# KiCad board AnalogFNN.kicad_pcb (continued)
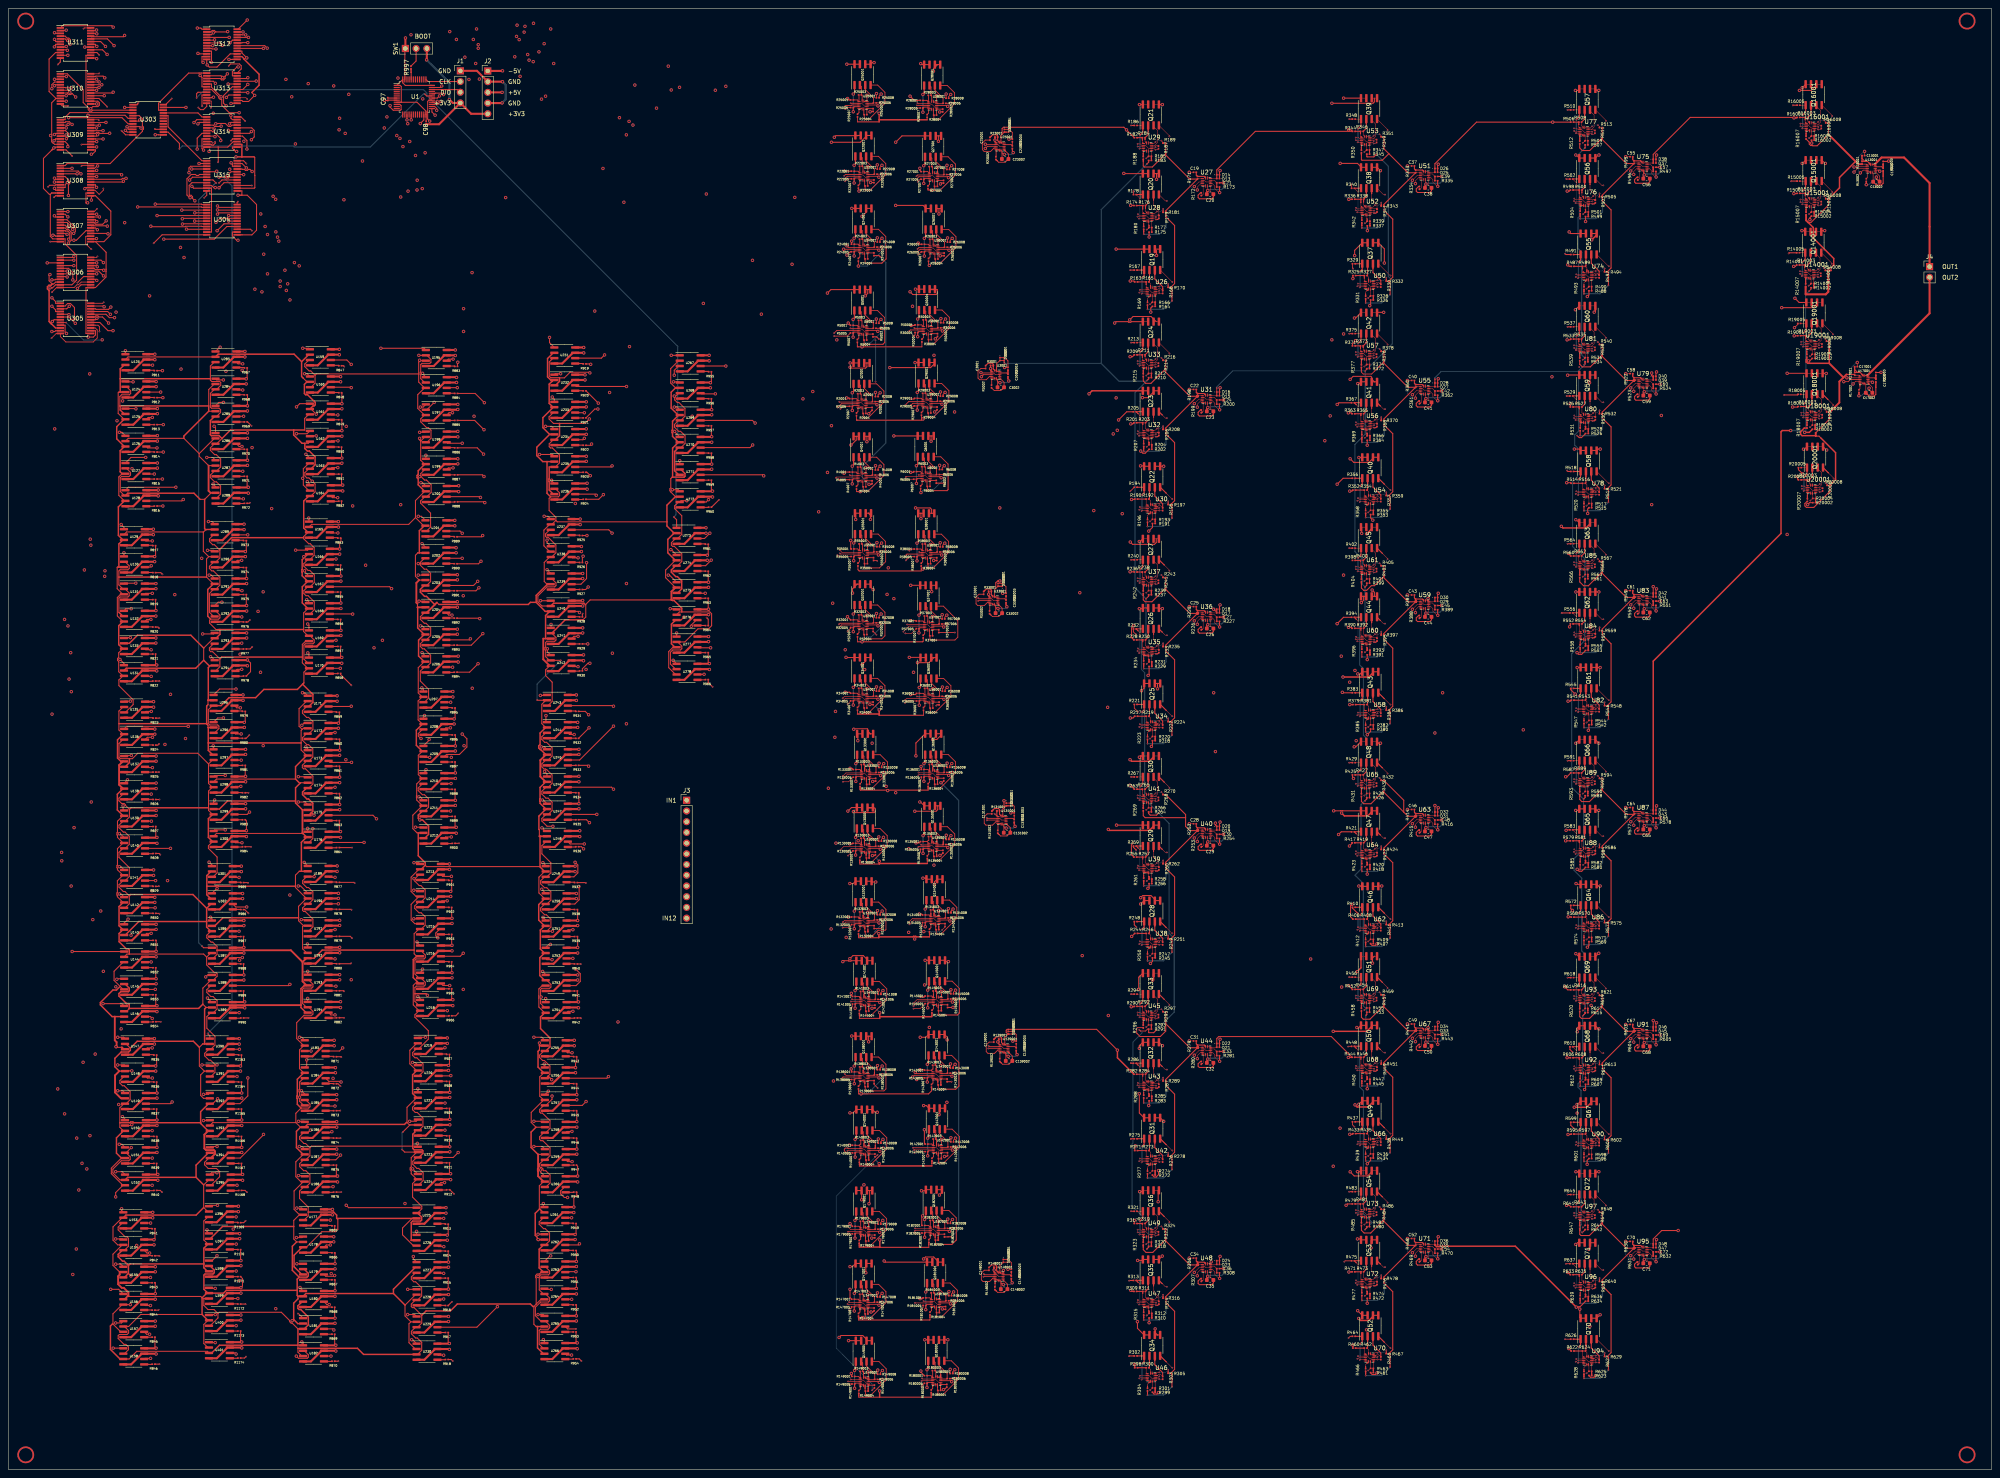
[diagram p0: board, top side]
## Routing (per net, layer and track width the routed paths; a pad name or vN(x,y) marks a point on that pad's centre or on a via; arc(x,y) is an arc through that point) (continued)
/VariableWeights/CS242: length 211
  Top w0.25: U307.9 13.68,293.15 v1(13.9,292.92) ; v1(68.7,138.39) 69.24,138.39 70.92,136.71
  In3.Cu w0.25: v1(63.77,292.26) 63.77,291.81 63.51,291.55 63.51,291.55 63.42,291.46 63.42,279.95 64.41,278.97 64.41,142.67 v1(68.7,138.39)
  In4.Cu w0.25: v1(63.77,292.26) 61,292.26 60.84,292.42 21.17,292.42 21.11,292.49 20.63,292.49 20.57,292.42 14.4,292.42 v1(13.9,292.92)
/VariableWeights/CS243: length 218
  Top w0.25: U307.23 v1(20.9,297.7) ; v1(69.41,130.42) 70.76,130.42
  In3.Cu w0.25: v1(21.87,132.46) 21.87,212.19 21.92,212.24 21.92,267.38 21.63,267.67 21.63,268.14 21.92,268.43 21.92,269.43 22.15,269.66 22.15,270.14 21.9,270.39 21.9,275.16 21.7,275.36 21.7,281.68 21.51,281.87 21.51,282.23 21.18,282.57 20.81,282.57 20.29,283.09 20.29,297.08 v1(20.9,297.7)
  In4.Cu w0.25: v1(69.41,130.42) 67.36,132.46 v1(21.87,132.46)
/VariableWeights/CS244: length 219.1
  Top w0.25: v1(70.87,124.62) 70.92,124.56 70.92,123.81 ; U307.22 v1(21.56,297.05)
  In3.Cu w0.25: v1(70.87,124.62) 64.06,131.43 64.06,278.82 63.07,279.81 63.07,293.21 v1(63.38,293.51)
  In4.Cu w0.25: v1(21.56,297.05) 22.59,296.02 22.59,295.89 22.93,295.56 23.05,295.56 23.17,295.43 23.19,295.45 23.67,295.45 24.01,295.12 24.01,294.6 25.49,293.12 60.61,293.12 61,293.51 v1(63.38,293.51)
/VariableWeights/CS245: length 230.1
  Top w0.25: U307.21 20.62,296.4 20.62,296.27 v1(20.94,295.96) ; v1(70.92,118.16) 70.92,117.35
  In2.Cu w0.25: v1(70.92,118.16) v1(22.5,118.16)
  In3.Cu w0.25: v1(20.94,295.96) 21.86,295.03 21.86,283.69 22.05,283.51 22.05,283.41 21.96,283.32 21.96,282.85 22.05,282.76 22.05,275.5 22.45,275.1 22.45,270.33 22.5,270.28 22.5,268.43 22.78,268.14 22.78,267.67 22.5,267.38 22.5,213.57 22.3,213.38 22.3,212.9 22.5,212.71 22.5,212.32 22.24,212.06 22.24,211.59 22.5,211.33 v1(22.5,118.16)
/VariableWeights/CS246: length 234.9
  Top w0.25: v1(70.92,111.73) 70.92,110.91 ; v1(23.16,296.13) 22.35,295.32 20.7,295.32 20.27,295.75 U307.20
  In2.Cu w0.25: v1(25.45,114.47) 68.18,114.47 v1(70.92,111.73)
  In3.Cu w0.25: v1(25.45,114.47) 23.8,116.12 23.8,213.52 23.48,213.84 23.48,268.43 23.33,268.59 23.33,271.48 23.15,271.65 23.15,272.13 23.33,272.3 23.33,273.43 23.19,273.56 23.19,274.37 23.3,274.48 23.3,292.46 22.97,292.79 22.97,293.31 23.18,293.52 23.18,294.31 22.86,294.64 22.86,295.12 23.18,295.44 23.18,296.11 v1(23.16,296.13)
/VariableWeights/CS251: length 241.2
  Top w0.25: U307.19 19.64,294.96 23.35,294.96 v1(23.43,294.88) ; 70.22,101.81 69.51,102.52 v1(68.98,102.52)
  In2.Cu w0.25: v1(26.71,104.51) 66.99,104.51 v1(68.98,102.52)
  In3.Cu w0.25: v1(26.71,104.51) 26.71,116.63 25.1,118.23 25.1,269.59 25.37,269.85 25.37,270.33 25.1,270.59 25.1,272.33 24.52,272.91 24.52,273.43 25.06,273.97 25.06,274.12 24.93,274.25 24.93,274.72 25.16,274.95 25.16,275.56 24.9,275.82 24.9,293.41 v1(23.43,294.88)
/VariableWeights/CS252: length 250.4
  Top w0.25: v1(21.07,294.01) 20.64,294.45 U307.18 ; v1(70.69,97.15) 70.69,95.82 70.22,95.36
  In4.Cu w0.25: v1(20.56,98.53) 69.3,98.53 v1(70.69,97.15)
  In5.Cu w0.25: v1(21.07,294.01) 20.23,293.17 20.23,229.08 20.56,228.75 20.56,130.66 20.57,130.65 20.57,130.18 20.56,130.17 v1(20.56,98.53)
/VariableWeights/CS253: length 255.1
  Top w0.25: v1(69.44,89.83) 70.22,89.04 ; U307.17 18.38,293.8 16.11,291.53 v1(15.5,291.53)
  In4.Cu w0.25: v1(15.5,291.53) 18.82,288.22 v1(60.5,288.22)
  In5.Cu w0.25: v1(60.5,288.22) 60.41,288.13 60.41,284.45 60.07,284.11 60.07,283.01 60.41,282.67 60.41,282.39 61.05,281.75 61.05,228.93 60.71,228.59 60.71,227.2 61.35,226.56 61.35,164.57 67.45,158.47 67.45,91.82 v1(69.44,89.83)
/VariableWeights/CS254: length 258.7
  Top w0.25: U307.16 23.5,293.15 v1(23.59,293.05) ; v1(68.75,82.59) 70.09,82.59
  In2.Cu w0.25: v1(68.75,82.59) 64.76,86.58 v1(26.13,86.58)
  In3.Cu w0.25: v1(23.59,293.05) 23.65,293 23.65,274.33 23.54,274.23 23.54,273.71 23.93,273.32 23.93,272.5 23.97,272.47 24.3,272.13 24.3,271.65 23.93,271.28 23.93,213.89 24.15,213.67 24.15,118.69 26.32,116.52 26.32,105 26.08,104.77 26.08,104.25 26.13,104.21 26.13,103.09 26.46,102.76 26.46,102.28 26.13,101.95 26.13,96.53 26.46,96.19 26.46,95.72 26.13,95.38 26.13,90.4 26.46,90.07 26.46,89.59 26.13,89.26 v1(26.13,86.58)
/VariableWeights/CS255: length 289.4
  Top w0.25: U308.2 v1(15.07,308.58) ; 70.22,76 69.61,76.62 v1(68.93,76.62)
  In2.Cu w0.25: v1(68.93,76.62) 66.99,78.56 16.22,78.56 v1(16.18,78.61)
  In5.Cu w0.25: v1(16.18,78.61) 16.18,163.5 15.97,163.7 15.97,214.38 16.13,214.53 16.13,271.31 16.42,271.6 16.42,272.07 16.13,272.36 16.13,272.63 16.23,272.73 16.23,273.21 16.13,273.31 16.13,279.53 16.12,279.54 15.78,279.87 15.78,280.35 16.13,280.7 16.13,280.88 16.12,280.89 15.78,281.23 15.78,281.71 16.13,282.05 16.13,297.69 15.07,298.75 v1(15.07,308.58)
/VariableWeights/CS256: length 294.7
  Top w0.25: U308.3 16.54,307.93 v1(17.19,307.28) ; v1(68.74,69.71) 70.07,69.71
  In4.Cu w0.25: v1(68.74,69.71) 65.83,72.63 v1(17.44,72.63)
  In5.Cu w0.25: v1(17.44,72.63) 17.44,95.22 17.05,95.61 17.05,182.06 16.67,182.44 16.67,214.09 16.93,214.34 16.93,271.12 17.12,271.31 17.12,279.57 17.28,279.73 17.28,297.53 16.67,298.14 16.67,306.75 v1(17.19,307.28)
/VariableWeights/CS261: length 301.2
  Top w0.25: U308.4 v1(16.28,307.28) ; v1(68.33,62.01) 69.52,62.01 U177.1
  In4.Cu w0.25: v1(16.67,66.3) 64.04,66.3 v1(68.33,62.01)
  In5.Cu w0.25: v1(16.28,307.28) 16.28,298.04 16.58,297.74 16.58,282.06 16.59,282.04 16.93,281.71 16.93,281.23 16.58,280.88 16.58,280.7 16.59,280.69 16.93,280.35 16.93,279.87 16.58,279.52 16.58,272.4 16.77,272.22 16.77,271.45 16.58,271.26 16.58,214.49 16.32,214.23 16.32,165.25 16.67,164.9 16.67,78.92 16.75,78.85 16.75,78.37 16.67,78.29 v1(16.67,66.3)
/VariableWeights/CS262: length 306.4
  Top w0.25: U178.1 69.58,55.01 v1(68.25,55.01) ; U308.5 13.43,306.63 14.22,305.84 14.22,305.76 14.53,305.45 14.53,304.98 14.22,304.67 v1(14.22,302.15)
  In2.Cu w0.25: v1(14.22,302.15) 42.79,302.15 42.82,302.19 43.3,302.19 43.33,302.15 53.58,302.15 54.15,301.58 54.67,301.58 55.03,301.94 v1(62.72,301.94)
  In3.Cu w0.25: v1(62.72,301.94) 62.72,299.31 62.58,299.31 62.37,299.11 62.37,279.52 63.36,278.53 63.36,114.46 63.71,114.11 63.71,59.55 v1(68.25,55.01)
/VariableWeights/CS263: length 312.8
  Top w0.25: U308.6 11.18,305.98 v1(10.91,306.25) ; v1(68.35,48.8) 69.82,48.8
  In2.Cu w0.25: v1(68.35,48.8) 64.84,52.31 v1(16.08,52.31)
  In5.Cu w0.25: v1(16.08,52.31) 15.67,52.72 15.67,78.3 15.6,78.37 15.6,78.85 15.67,78.92 15.67,95.5 11.98,99.2 11.98,305.18 v1(10.91,306.25)
/VariableWeights/CS264: length 318.7
  Top w0.25: U308.7 v1(10.9,305.33) ; v1(69.1,43.18) 69.1,43.08 69.83,42.36
  In4.Cu w0.25: v1(15.25,46.26) 28.57,46.26 28.79,46.49 29.27,46.49 29.49,46.26 66.02,46.26 v1(69.1,43.18)
  In5.Cu w0.25: v1(10.9,305.33) 11.63,304.6 11.63,91.22 15.25,87.6 v1(15.25,46.26)
/VariableWeights/CS265: length 347.7
  Top w0.25: v2(9.4,304.2) 9.76,304.56 11.1,304.56 11.22,304.68 U308.8 ; U181.1 68.73,37 v2(68.6,37)
  In1.Cu w0.25: v2(68.6,37) 67.6,37 65.9,35.3 65.9,28.3 61,23.4 24.4,23.4 7.1,40.7 7.1,53.7 7,53.8 7,290.4 9.4,292.8 v2(9.4,304.2)
/VariableWeights/CS266: length 328.7
  Top w0.25: U182.1 69.83,30 v1(69.55,30.28) ; U308.9 13.43,304.03 13.43,304.69 v1(13.95,305.22)
  In3.Cu w0.25: v1(69.55,30.28) 69.73,30.47 69.73,54.43 66.7,57.47 66.7,111.8 63.71,114.79 63.71,278.68 62.72,279.66 62.72,298.78 63.34,299.4 v1(63.34,301.24)
  In4.Cu w0.25: v1(13.95,305.22) 16.2,302.96 60.25,302.96 61.97,301.24 v1(63.34,301.24)
/VariableWeights/CS311: length 122.3
  Top w0.25: v1(88.27,265.91) 98.52,265.91 98.92,265.5 ; v1(21.13,309.14) 20.97,309.14 20.4,308.58 U308.23
  In1.Cu w0.25: v1(83.91,310.32) 88.27,305.96 v1(88.27,265.91)
  In2.Cu w0.25: v1(21.13,309.14) 22.53,310.54 53.31,310.54 53.53,310.32 v1(83.91,310.32)
/VariableWeights/CS312: length 126.1
  Top w0.25: 98.92,259.06 98.16,259.82 v1(98.16,259.97) ; v1(20.92,308.1) 20.8,308.1 20.62,307.93 U308.22
  In2.Cu w0.25: v1(20.92,308.1) 25.71,303.31 53.55,303.31 54.03,303.79 96.36,303.79 96.6,304.03 97.07,304.03 97.31,303.79 98.05,303.79 v1(98.08,303.77)
  In5.Cu w0.25: v1(98.08,303.77) 98.16,303.69 v1(98.16,259.97)
/VariableWeights/CS313: length 134.3
  Top w0.25: U308.21 26.58,307.28 v1(26.82,307.04) ; v1(97.63,251.96) 98.28,251.96 98.92,252.61
  In3.Cu w0.25: v1(27.05,253.43) 26.73,253.75 26.73,273.9 26.78,273.96 26.78,275.01 26.61,275.18 26.61,306.84 v1(26.82,307.04)
  In4.Cu w0.25: v1(27.05,253.43) 50.36,253.43 50.64,253.71 95.89,253.71 v1(97.63,251.96)
/VariableWeights/CS314: length 136.4
  Top w0.25: U308.20 v1(20.91,306.63) ; v1(97.45,245.99) 98.76,245.99
  In2.Cu w0.25: v1(94.7,303.17) 94.69,303.18 53.91,303.18 53.69,302.96 24.58,302.96 v1(20.91,306.63)
  In5.Cu w0.25: v1(94.7,303.17) 94.7,248.73 v1(97.45,245.99)
/VariableWeights/CS315: length 143.7
  Top w0.25: 98.92,239.7 98.92,240.52 v1(98.93,240.53) ; U308.19 26.81,305.98 27.02,306.2 v1(27.87,306.2)
  In1.Cu w0.25: v1(98.93,240.53) 98.91,240.56 98.91,270.79 96.84,272.86 v1(96.84,303.45)
  In4.Cu w0.25: v1(96.84,303.45) 96.49,303.79 92.99,303.79 92.51,303.31 45.13,303.31 44.78,303.66 30.9,303.66 30.04,304.53 29.75,304.53 29.65,304.42 v1(27.87,306.2)
/VariableWeights/CS316: length 148.8
  Top w0.25: v1(97.77,234.03) 98.15,234.03 98.92,233.25 ; U308.18 27.06,305.33 v1(27.25,305.52)
  In3.Cu w0.25: v1(27.25,305.52) 27.36,305.41 27.36,296.33 27.3,296.27 26.96,295.93 26.96,295.46 27.36,295.06 27.36,274.04 27.08,273.76 27.08,264.53 27.87,263.75 27.87,238.76 v1(29.28,237.34)
  In4.Cu w0.25: v1(97.77,234.03) 96.21,235.59 70.04,235.59 69.98,235.65 69.5,235.65 69.44,235.59 36.28,235.59 34.53,237.34 v1(29.28,237.34)
/VariableWeights/CS321: length 154.6
  Top w0.25: v1(97.13,226.06) 97.87,226.06 U201.1 ; v1(20.88,304.08) 20.62,304.33 20.62,304.68 U308.17
  In2.Cu w0.25: v1(92.97,301.78) 91.92,302.83 54.06,302.83 53.79,302.56 22.39,302.56 v1(20.88,304.08)
  In3.Cu w0.25: v1(92.97,301.78) 92.97,230.22 v1(97.13,226.06)
/VariableWeights/CS322: length 167
  Top w0.25: v1(18.11,303.77) 18.38,304.03 U308.16 ; v1(98.02,219.57) 98.83,218.76
  In2.Cu w0.25: v1(98.02,219.57) 97.67,219.22 v1(19.53,219.22)
  In5.Cu w0.25: v1(18.11,303.77) 17.76,303.42 17.76,299.75 18.33,299.19 18.33,279.29 18.17,279.13 18.17,270.87 17.99,270.69 17.99,221.26 18.81,220.43 18.81,220.4 19.15,220.06 19.18,220.06 19.53,219.71 v1(19.53,219.22)
/VariableWeights/CS323: length 190.3
  Top w0.25: v1(97.13,212.11) 98.73,212.11 ; U309.2 13.43,319.47 13.6,319.64 14.43,319.64 v1(15.08,318.99)
  In2.Cu w0.25: v1(15.08,318.99) 17.18,316.89 20.67,316.89 20.89,317.12 21.37,317.12 21.59,316.89 22.39,316.89 23.01,316.28 34.24,316.28 34.55,315.97 35.03,315.97 35.33,316.28 48.32,316.28 48.37,316.33 48.71,316.66 49.19,316.66 49.56,316.28 49.58,316.28 57.96,316.28 58.18,316.07 91,316.07 91.38,315.68 v1(92.79,315.68)
  In3.Cu w0.25: v1(92.79,315.68) 92.79,302.41 92.73,302.35 92.39,302.02 92.39,301.54 92.44,301.5 92.44,229.1 92.4,229.06 92.4,228.58 92.44,228.54 92.44,216.8 v1(97.13,212.11)
/VariableWeights/CS324: length 195.4
  Top w0.25: U204.1 98.64,205.94 v1(97.32,205.94) ; v1(14.16,319.01) 13.96,318.82 U309.3
  In3.Cu w0.25: v1(18,213.35) 18,277.57 13.28,282.3 13.28,293.18 13.46,293.36 13.46,299.64 14.84,301.02 14.84,302.41 14.42,302.84 14.42,304.87 14.53,304.98 14.53,305.45 14.42,305.56 14.42,313.26 14.65,313.5 14.65,313.97 14.42,314.21 14.42,318.75 v1(14.16,319.01)
  In4.Cu w0.25: v1(18,213.35) 22.27,213.35 22.3,213.38 22.64,213.72 23.12,213.72 23.48,213.35 29.25,213.35 29.6,213.7 69.92,213.7 69.94,213.72 70.41,213.72 70.78,213.35 89.9,213.35 v1(97.32,205.94)
/VariableWeights/CS325: length 206.4
  Top w0.25: v1(97.65,200.07) 98.06,200.07 U205.1 ; U309.4 v1(13.69,318.17)
  In2.Cu w0.25: v1(97.65,200.07) 71.28,200.07 71.15,199.94 70.67,199.94 70.54,200.07 v1(14.11,200.07)
  In3.Cu w0.25: v1(13.69,318.17) 12.76,317.24 12.76,293.65 12.57,293.47 12.57,282.01 14.08,280.5 14.08,276.35 13.85,276.11 13.85,275.64 14.08,275.4 14.08,274.44 13.77,274.12 13.77,273.64 14.08,273.32 14.08,272.34 14.38,272.04 14.38,200.34 v1(14.11,200.07)
/VariableWeights/CS326: length 212
  Top w0.25: v1(98.02,193.72) 98.83,192.92 ; v1(13.74,315.6) 14.31,316.17 14.31,316.75 13.55,317.52 U309.5
  In2.Cu w0.25: v1(14.76,193.72) 53.97,193.72 54.24,193.99 70.44,193.99 70.71,194.25 71.18,194.25 71.44,193.99 86.23,193.99 86.49,193.72 v1(98.02,193.72)
  In3.Cu w0.25: v1(13.74,315.6) 13.74,314.21 13.5,313.97 13.5,313.5 13.74,313.26 13.74,305.92 13.11,305.3 13.11,293.51 12.93,293.32 12.93,282.15 14.76,280.32 14.76,276.35 15,276.11 15,275.64 14.76,275.4 14.76,274.27 14.92,274.12 14.92,273.64 14.76,273.49 v1(14.76,193.72)
/VariableWeights/CS331: length 217.6
  Top w0.25: v1(97.97,185.37) 98.35,184.99 U207.1 ; U309.6 11.18,316.87 v1(10.91,316.6)
  In4.Cu w0.25: v1(14.37,187.46) 95.88,187.46 v1(97.97,185.37)
  In5.Cu w0.25: v1(10.91,316.6) 12.43,315.08 12.43,189.4 v1(14.37,187.46)
/VariableWeights/CS332: length 223.1
  Top w0.25: U309.7 13.43,316.22 13.43,316.25 v1(13.68,316.5) ; U208.1 98.35,178.56 v1(98.61,178.82)
  In2.Cu w0.25: v1(95.11,314.94) 81.24,314.94 80.46,315.72 58.03,315.72 57.82,315.93 57.34,315.93 57.12,315.72 52.43,315.72 52.33,315.62 50.68,315.62 50.56,315.74 50.08,315.74 49.95,315.62 49.29,315.62 49.19,315.51 48.71,315.51 48.6,315.62 34.4,315.62 34.1,315.92 22.86,315.92 22.67,316.12 22.19,316.12 22.18,316.1 22.06,316.22 21.62,316.22 21.37,315.97 20.89,315.97 20.64,316.22 14.01,316.22 13.72,316.5 v1(13.68,316.5)
  In5.Cu w0.25: v1(98.61,178.82) 98.61,240.04 98.36,240.29 98.36,240.77 98.61,241.02 98.61,259.6 98.73,259.73 98.73,260.2 98.61,260.33 98.61,303.49 98.65,303.53 98.65,304.01 98.61,304.05 98.61,311.44 v1(95.11,314.94)
/VariableWeights/CS333: length 233.2
  Top w0.25: v1(99.7,173.14) 99.7,172.96 U209.1 ; v1(10.82,315.13) 11.18,315.48 11.18,315.57 U309.8
  In1.Cu w0.25: v1(99.7,173.14) 99.88,173.31 99.88,311.15 v1(98.75,312.27)
  In4.Cu w0.25: v1(98.75,312.27) 54.59,312.27 54.33,312.02 53.86,312.02 53.6,312.27 48.04,312.27 47.79,312.02 47.31,312.02 47.06,312.27 20.13,312.27 19.89,312.51 19.41,312.51 19.17,312.27 13.68,312.27 v1(10.82,315.13)
/VariableWeights/CS334: length 231.3
  Top w0.25: v1(98.96,165.96) 98.96,165.77 U210.1 ; v1(14.08,313.73) 14.08,314.26 13.43,314.92 U309.9
  In1.Cu w0.25: v1(96.87,305.76) 96.87,304.13 96.97,304.03 97.07,304.03 97.41,303.69 97.41,303.28 99.26,301.44 99.26,241.02 99.51,240.77 99.51,240.29 99.26,240.04 99.26,173.51 99.13,173.38 99.13,172.9 99.26,172.77 99.26,166.26 v1(98.96,165.96)
  In2.Cu w0.25: v1(96.87,305.76) 91.67,310.96 54.49,310.96 54.2,310.67 53.67,310.67 53.38,310.96 16.85,310.96 v1(14.08,313.73)
/VariableWeights/CS335: length 238.7
  Top w0.25: U211.1 97.53,159.53 v1(97.28,159.53) ; U309.23 v1(23.12,319.47)
  In1.Cu w0.25: v1(97.28,159.53) 94.93,161.88 94.93,301.95 94.07,302.81 94.07,305.49 94.16,305.58 94.16,318.69 v1(94.63,319.17)
  In4.Cu w0.25: v1(23.12,319.47) 23.14,319.45 38.84,319.45 39.86,320.46 44.77,320.46 45.12,320.11 53.34,320.11 54.28,319.17 v1(94.63,319.17)
/VariableWeights/CS336: length 237.6
  Top w0.25: v1(96.47,152.34) 98.27,152.34 ; U309.22 v1(21.54,318.82)
  In1.Cu w0.25: v1(96.47,152.34) 93.98,154.83 93.98,302.22 92.46,303.75 92.46,304.58 80.39,316.65 80.39,317.11 80.05,317.45 79.59,317.45 78.48,318.55 v1(78.48,320.46)
  In4.Cu w0.25: v1(78.48,320.46) 45.27,320.46 44.92,320.81 23.53,320.81 v1(21.54,318.82)
/VariableWeights/CS341: length 249.9
  Top w0.25: U309.21 v1(20.88,318.17) ; U213.1 97.24,143.93 v1(96.11,143.93)
  In3.Cu w0.25: v1(92.04,316.36) 92.04,148 v1(96.11,143.93)
  In4.Cu w0.25: v1(20.88,318.17) 23.43,315.62 48.03,315.62 48.26,315.85 48.37,315.85 48.71,315.51 49.19,315.51 49.58,315.9 53.33,315.9 53.78,316.36 79.51,316.36 79.58,316.3 80.05,316.3 80.12,316.36 v1(92.04,316.36)
/VariableWeights/CS342: length 249.6
  Top w0.25: v1(96.07,137.4) 97.32,137.4 U214.1 ; U309.20 v1(22.43,317.52)
  In1.Cu w0.25: v1(96.07,137.4) 90.17,143.3 90.17,306.37 79.81,316.73 v1(79.81,316.87)
  In4.Cu w0.25: v1(79.81,316.87) 57.97,316.87 57.82,316.72 57.34,316.72 57.19,316.87 53.8,316.87 53.2,316.27 49.58,316.27 49.52,316.33 49.19,316.66 48.71,316.66 48.32,316.27 35.33,316.27 35.03,315.97 34.55,315.97 34.25,316.27 23.67,316.27 v1(22.43,317.52)
/VariableWeights/CS343: length 255.7
  Top w0.25: U309.19 20.64,316.87 20.89,317.12 21.37,317.12 21.62,316.87 23.95,316.87 v1(23.99,316.9) ; v1(96.07,130.61) 97.44,130.61
  In4.Cu w0.25: v1(23.99,316.9) 24.07,316.81 34.24,316.81 34.55,317.12 35.03,317.12 35.33,316.81 48.36,316.81 48.56,317.01 49.33,317.01 49.41,316.94 52.32,316.94 53.1,317.72 57.19,317.72 57.34,317.87 57.82,317.87 57.97,317.72 v1(78.36,317.72)
  In5.Cu w0.25: v1(96.07,130.61) 89.91,136.77 89.91,262.14 78.36,273.69 v1(78.36,317.72)
/VariableWeights/CS344: length 265.7
  Top w0.25: v1(21.13,316.54) 20.81,316.22 U309.18 ; v1(96.82,125.1) 96.82,125 U216.1
  In4.Cu w0.25: v1(29.06,126.71) 33.46,126.71 33.59,126.58 34.06,126.58 34.19,126.71 53.71,126.71 53.85,126.57 95.36,126.57 v1(96.82,125.1)
  In5.Cu w0.25: v1(21.13,316.54) 21.87,315.8 21.86,315.78 21.86,315.3 22.19,314.97 22.67,314.97 22.7,314.97 25.77,311.9 25.77,275.03 26.08,274.72 26.08,274.25 25.77,273.94 25.77,267.79 25.05,267.07 25.05,162.2 29.06,158.19 v1(29.06,126.71)
/VariableWeights/CS345: length 274.4
  Top w0.25: U309.17 20.62,315.57 20.65,315.54 v1(22.43,315.54) ; U217.1 98.14,118.41 v1(98.14,118.66)
  In1.Cu w0.25: v1(98.14,118.66) 98.34,118.86 98.34,160.28 98.14,160.48 98.14,172.91 98.36,173.13 98.36,173.61 98.14,173.83 98.14,174.27 96.03,176.38 96.03,255.22 96.47,255.65 96.47,303 96.26,303.21 96.26,303.69 96.47,303.9 96.47,305.35 96.29,305.53 96.29,306 96.47,306.18 v1(96.47,311.63)
  In2.Cu w0.25: v1(96.47,311.63) 96.14,311.96 26.02,311.96 v1(22.43,315.54)
/VariableWeights/CS346: length 279
  Top w0.25: v1(97.02,112.19) 97.55,111.66 U218.1 ; U309.16 v1(20.91,314.92)
  In4.Cu w0.25: v1(93.51,313.74) 22.09,313.74 v1(20.91,314.92)
  In5.Cu w0.25: v1(93.51,313.74) 93.51,302.05 93.54,302.02 93.54,301.54 93.51,301.5 93.51,229.1 93.55,229.06 93.55,228.58 93.51,228.54 93.51,136.08 97.45,132.14 97.45,112.62 v1(97.02,112.19)
/VariableWeights/CS351: length 313.1
  Top w0.25: U310.2 v1(13.71,330.35) ; v1(98.83,102.52) 97.19,102.52
  In2.Cu w0.25: v1(13.71,330.35) 13.72,330.36 22.34,330.36 22.59,330.62 23.07,330.62 23.33,330.36 44.86,330.36 45.19,330.03 45.67,330.03 46,330.36 50.17,330.36 50.18,330.37 50.52,330.71 51,330.71 51.35,330.36 56.13,330.36 56.47,330.7 91.6,330.7 v1(92.31,329.99)
  In5.Cu w0.25: v1(98.83,102.52) 98.83,112.14 98.73,112.24 98.73,112.72 98.83,112.82 98.83,132.49 94.14,137.18 94.14,302.92 94.13,302.93 94.13,303.41 94.14,303.41 94.14,314.28 93.41,315 93.41,328.89 v1(92.31,329.99)
/VariableWeights/CS352: length 317.4
  Top w0.25: v1(95.78,96.54) 96.39,96.54 U220.1 ; U310.3 v1(10.92,329.7)
  In3.Cu w0.25: v1(10.92,329.7) 12.32,328.3 12.32,293.71 12.22,293.61 12.22,281.86 13.13,280.96 13.13,202.66 13.93,201.87 13.93,200.77 13.48,200.33 13.48,199.81 13.72,199.57 13.72,100.56 v1(17.69,96.58)
  In4.Cu w0.25: v1(17.69,96.58) 70.44,96.58 70.45,96.57 70.93,96.57 70.94,96.58 95.74,96.58 v1(95.78,96.54)
/VariableWeights/CS353: length 327.5
  Top w0.25: v1(97.03,90.26) U221.1 ; U310.4 10.92,329.05 10.29,328.43 v1(10.29,327.47)
  In3.Cu w0.25: v1(10.29,327.47) 11.62,326.14 11.62,294 11.52,293.9 11.52,262.17 11.68,262.01 v1(11.68,90.26)
  In4.Cu w0.25: v1(97.03,90.26) 69.82,90.26 69.68,90.4 69.2,90.4 69.06,90.26 26.27,90.26 26.13,90.4 25.65,90.4 25.51,90.26 v1(11.68,90.26)
/VariableWeights/CS354: length 331
  Top w0.25: U310.5 11.15,328.4 v1(10.92,328.17) ; U222.1 96.61,82.59 v1(95.09,82.59)
  In3.Cu w0.25: v1(13.31,84.35) 13.31,151.29 12.44,152.15 12.44,281.15 11.87,281.72 11.87,293.76 11.97,293.85 11.97,327.12 v1(10.92,328.17)
  In4.Cu w0.25: v1(13.31,84.35) 93.33,84.35 v1(95.09,82.59)
/VariableWeights/CS355: length 333.6
  Top w0.25: 96.9,76.68 v1(96.9,77.36) ; v1(14.86,327.68) 13.49,327.68 13.43,327.75 U310.6
  In2.Cu w0.25: v1(19.31,79.19) 59.93,79.19 60.21,78.91 60.69,78.91 60.97,79.19 70.73,79.19 72.57,77.36 v1(96.9,77.36)
  In5.Cu w0.25: v1(19.31,79.19) 19.31,157.81 19.05,158.07 19.05,158.55 19.31,158.81 19.31,181.49 17.38,183.43 17.38,213.62 17.63,213.88 17.63,270.83 17.82,271.01 17.82,279.28 17.98,279.44 17.98,299.04 17.37,299.65 17.37,304.36 18.18,305.17 18.18,319.39 15.21,322.36 15.21,326.86 15,327.06 14.96,327.06 14.86,327.16 v1(14.86,327.68)
/VariableWeights/CS356: length 339.5
  Top w0.25: v1(95.78,71.3) 96.98,70.11 ; U310.7 14.1,327.1 v1(14.55,326.66)
  In2.Cu w0.25: v1(95.78,71.3) v1(18.57,71.3)
  In5.Cu w0.25: v1(18.57,71.3) 18.57,181.73 17.02,183.28 17.02,213.94 17.28,214.2 17.28,270.97 17.47,271.16 17.47,279.42 17.63,279.58 17.63,298.17 17.02,298.78 17.02,304.93 17.83,305.74 17.83,318.56 14.86,321.53 14.86,326.35 v1(14.55,326.66)
/VariableWeights/CS361: length 341.6
  Top w0.25: v1(80.06,62.67) 80.62,62.11 96.72,62.11 ; U310.8 13.94,326.45 13.97,326.42 14.31,326.08 14.79,326.08 15.06,326.36 v1(15.94,325.49)
  In1.Cu w0.25: v1(80.06,62.67) 80.06,159.21 79.27,159.99 79.27,187.4 74.21,192.47 74.21,318.47 v1(67.14,325.54)
  In4.Cu w0.25: v1(67.14,325.54) 58.83,325.54 58.6,325.3 58.12,325.3 57.88,325.54 52.33,325.54 52.23,325.64 51.89,325.98 51.35,325.98 51.25,326.08 50.67,326.08 50.64,326.11 50.17,326.11 50.14,326.08 31.14,326.08 30.17,325.11 16.31,325.11 v1(15.94,325.49)
/VariableWeights/CS362: length 347.4
  Top w0.25: U310.9 v1(13.69,325.8) ; v1(96.72,56.51) 96.72,55.65
  In3.Cu w0.25: v1(96.72,56.51) 96.01,57.22 96.01,70.72 96.02,70.73 96.36,71.06 96.36,71.54 96.01,71.89 96.01,95.96 96.02,95.97 96.36,96.3 96.36,96.78 96.01,97.13 96.01,116.93 80.66,132.28 v1(80.66,326.13)
  In4.Cu w0.25: v1(13.69,325.8) 14.14,326.25 14.14,326.25 14.31,326.08 14.79,326.08 15.16,326.45 24.2,326.45 24.25,326.4 24.59,326.07 25.06,326.07 25.45,326.45 50.02,326.45 50.02,326.46 51.91,326.46 52.15,326.22 56.21,326.22 56.49,325.93 56.97,325.93 57.26,326.22 57.88,326.22 58.12,326.46 58.6,326.46 58.83,326.22 80.57,326.22 v1(80.66,326.13)
/VariableWeights/CS363: length 353.1
  Top w0.25: U310.23 20.62,330.35 20.72,330.45 22.43,330.45 v1(22.83,330.04) ; v1(95.95,50.52) 95.95,49.98 96.72,49.2
  In2.Cu w0.25: v1(95.95,50.52) 93.82,52.66 30.89,52.66 v1(30.39,53.15)
  In3.Cu w0.25: v1(30.39,53.15) 30.39,113.61 26.73,117.28 26.73,136.14 26.85,136.26 26.85,136.74 26.73,136.86 26.73,142.59 26.86,142.72 26.86,143.2 26.73,143.33 26.73,150.4 26.86,150.53 26.86,151.01 26.73,151.14 26.73,157.01 26.59,157.14 26.59,157.62 26.73,157.76 26.73,191.6 27.01,191.88 27.01,192.36 26.73,192.63 26.73,221.68 27.37,222.31 27.37,247.97 26.37,248.96 26.37,274.04 26.43,274.1 26.43,274.87 26.21,275.09 26.21,276.17 26.2,276.18 26.2,326.68 v1(22.83,330.04)
/VariableWeights/CS364: length 348.7
  Top w0.25: v1(94.62,42.74) 96.71,42.74 ; U310.22 20.62,329.7 20.65,329.73 v1(20.89,329.73)
  In2.Cu w0.25: v1(20.89,329.73) 22.34,329.73 22.59,329.47 23.07,329.47 23.33,329.73 45,329.73 45.04,329.68 45.81,329.68 45.86,329.73 49.45,329.73 49.64,329.53 51.64,329.53 51.65,329.55 52.81,329.55 52.91,329.45 57.05,329.45 57.13,329.53 58.17,329.53 58.49,329.85 58.96,329.85 59.19,329.62 65.7,329.62 v1(65.75,329.68)
  In3.Cu w0.25: v1(65.75,329.68) 76.71,318.72 76.71,196.28 76.96,196.03 76.96,175.16 76.83,175.03 76.83,174.55 76.96,174.42 76.96,162.17 76.83,162.03 76.83,161.56 76.96,161.42 76.96,140.82 76.83,140.69 76.83,140.21 76.96,140.08 76.96,128.43 76.83,128.29 76.83,127.82 76.96,127.68 76.96,121.48 76.83,121.35 76.83,120.87 76.96,120.74 76.96,108.19 76.83,108.06 76.83,107.58 76.96,107.45 76.96,104.16 94.62,86.5 94.62,82.94 94.51,82.83 94.51,82.35 94.62,82.25 v1(94.62,42.74)
/VariableWeights/CS365: length 356.2
  Top w0.25: v1(94.62,36.76) 96.27,36.76 96.72,36.31 ; U310.21 21.46,329.05 v1(21.49,329.08)
  In1.Cu w0.25: v1(94.62,36.76) 80.62,50.76 80.62,62.42 80.63,62.43 80.63,62.91 80.62,62.91 80.62,115.63 80.61,115.64 80.61,116.61 80.62,116.63 80.62,247.15 80.63,247.15 80.63,247.63 80.62,247.64 80.62,314.31 71.05,323.88 v1(71.05,328.67)
  In2.Cu w0.25: v1(71.05,328.67) 63.64,328.67 63.38,328.92 59.19,328.92 58.96,328.7 58.49,328.7 58.17,329.02 57.07,329.02 56.99,329.1 52.76,329.1 52.67,329.2 51.8,329.2 51.74,329.14 49.54,329.14 49.31,329.37 46,329.37 45.7,329.08 v1(21.49,329.08)
/VariableWeights/CS366: length 365.9
  Top w0.25: 96.72,29.86 95.79,30.79 v1(95.56,30.79) ; U310.20 v1(22.12,328.4)
  In2.Cu w0.25: v1(22.12,328.4) 22.67,327.85 76.81,327.85 v1(77.08,328.12)
  In3.Cu w0.25: v1(95.56,30.79) 95.56,50.11 95.38,50.29 95.38,50.76 95.56,50.94 95.56,70.72 95.55,70.73 95.21,71.06 95.21,71.54 95.56,71.89 95.56,82.25 95.66,82.35 95.66,82.83 95.56,82.94 95.56,95.96 95.55,95.97 95.21,96.3 95.21,96.78 95.56,97.13 95.56,102.73 79.33,118.96 79.33,186.88 77.43,188.77 77.43,196.05 77.4,196.09 77.06,196.42 77.06,196.9 77.43,197.27 77.43,215.34 77.4,215.37 77.06,215.7 77.06,216.18 77.43,216.55 77.43,236.67 77.08,237.02 v1(77.08,328.12)
/VariableWeights/CS411: length 165
  Top w0.25: U310.19 20.62,327.75 20.64,327.76 v1(21.46,327.76) ; U231.1 128.24,267.24 v1(128.24,268.49)
  In3.Cu w0.25: v1(25.51,274.48) 25.51,275.79 25.42,275.88 25.42,322.18 21.81,325.79 21.81,327.42 v1(21.46,327.76)
  In4.Cu w0.25: v1(128.24,268.49) 31.5,268.49 v1(25.51,274.48)
